# KiCad board AMC_FMC_Carrier-PcbDoc.kicad_pcb (continued)
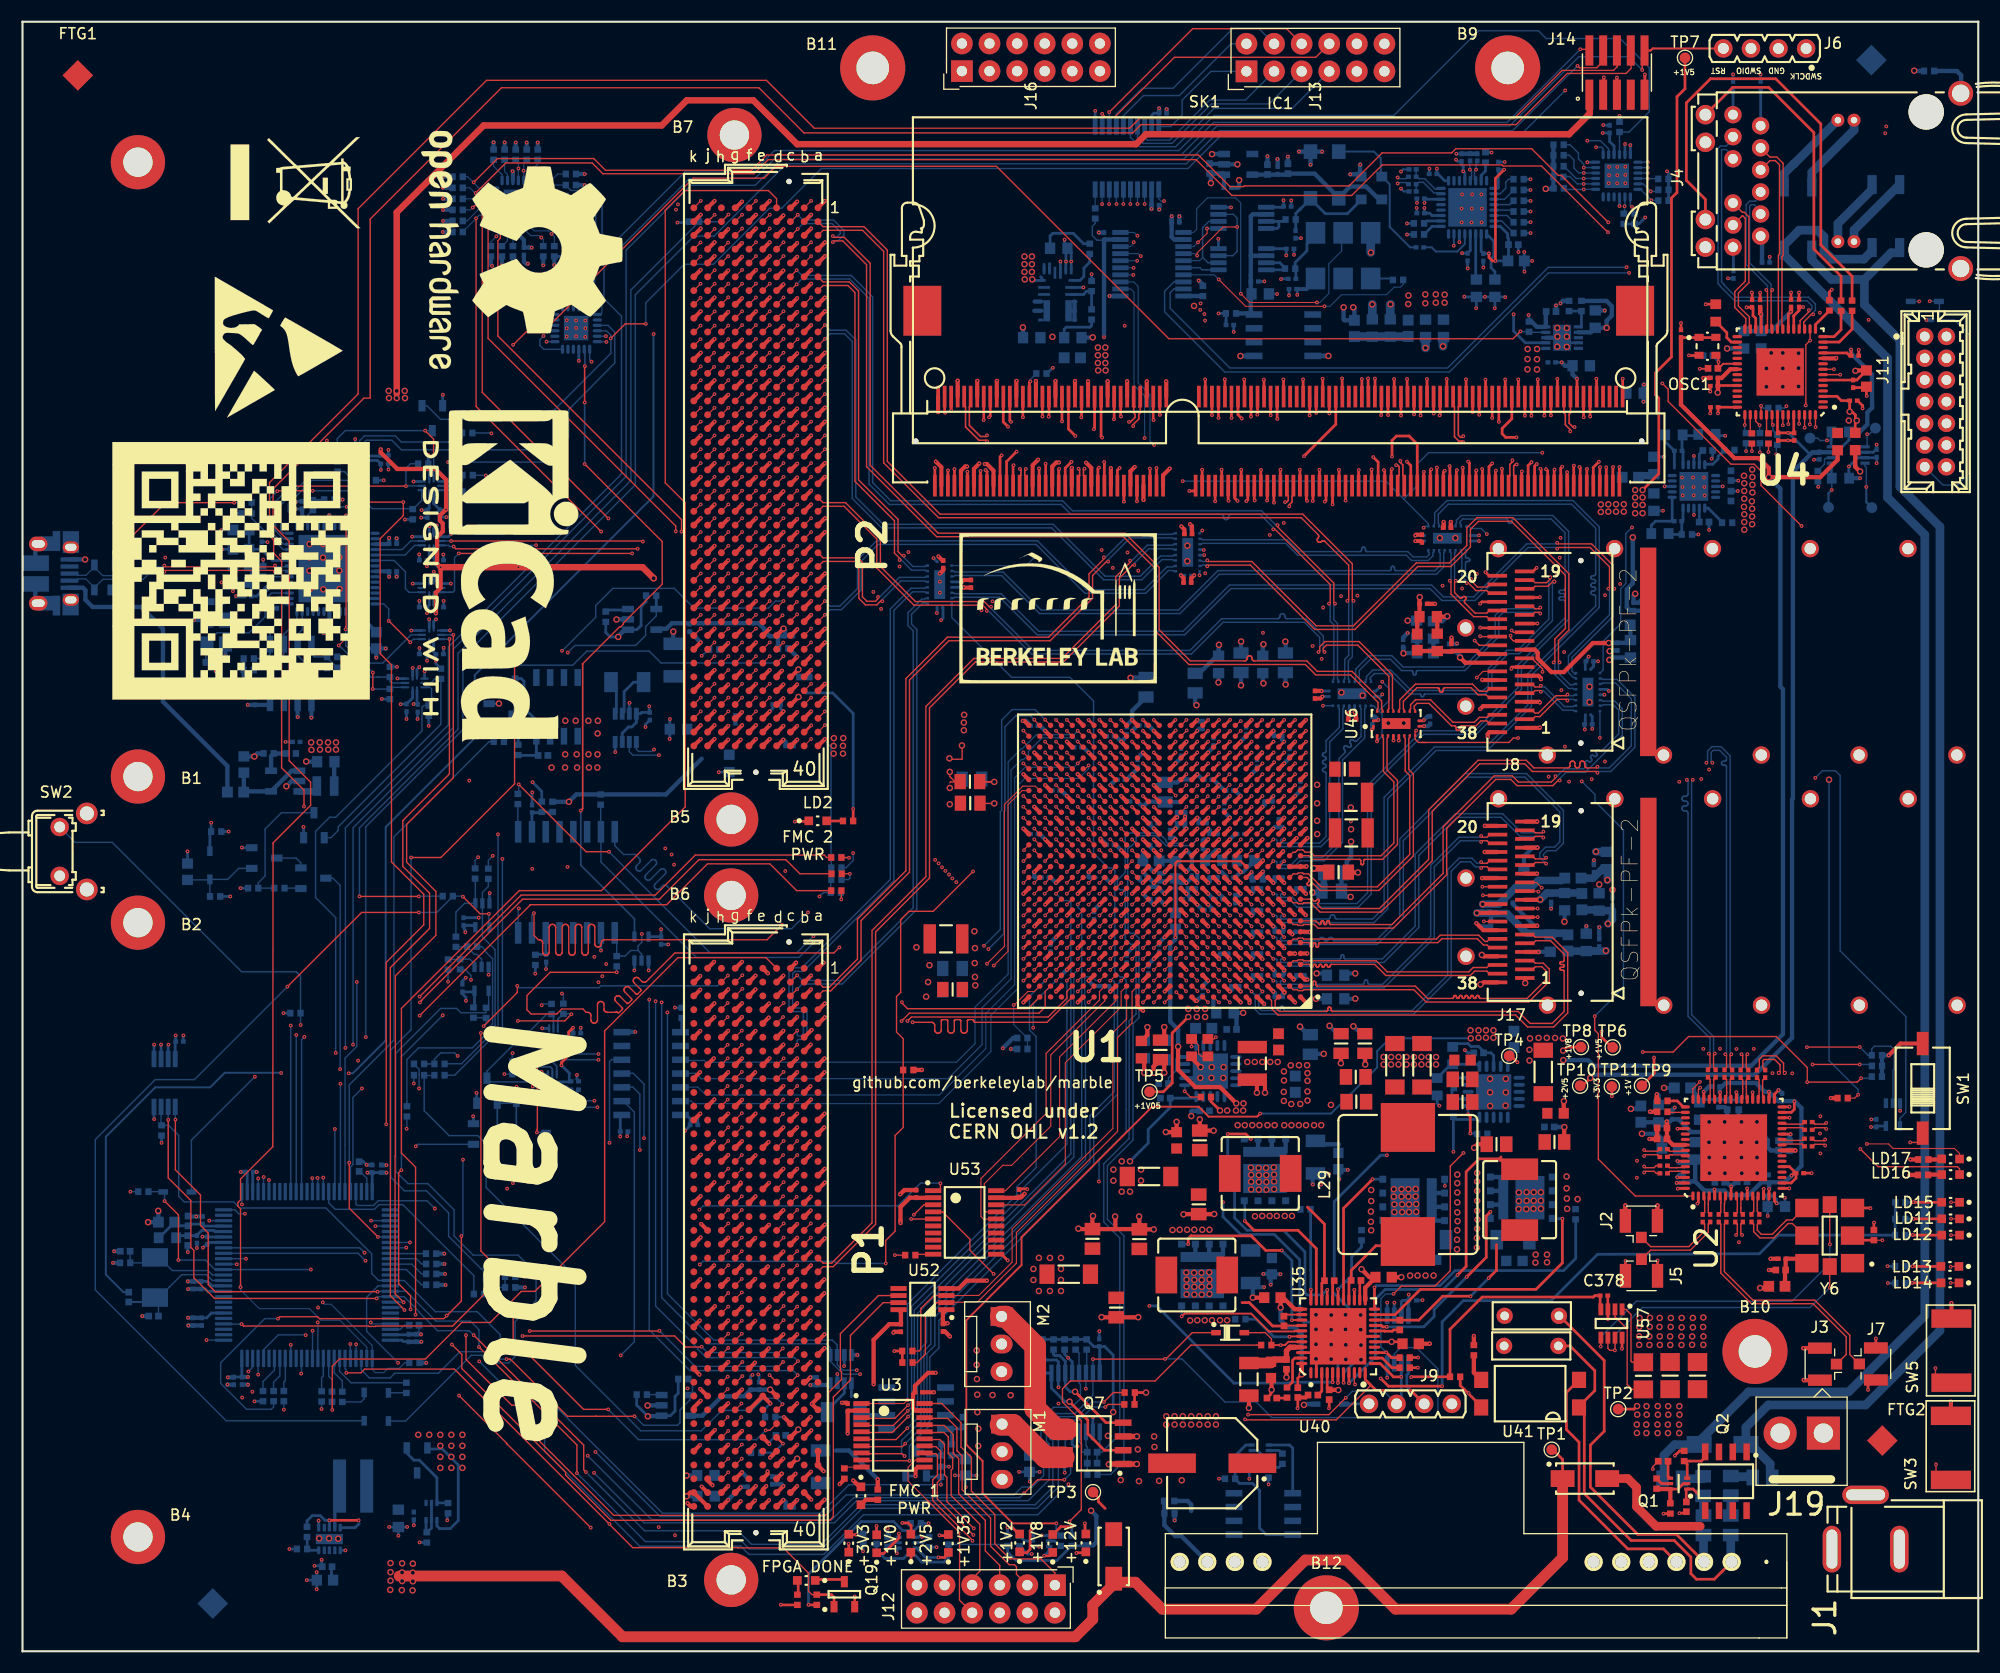
[diagram p0: board, top side]
## Routing (per net, layer and track width the routed paths; a pad name or vN(x,y) marks a point on that pad's centre or on a via; arc(x,y) is an arc through that point) (continued)
/FPGA/FPGA_MGT/GBX_MUX/MGT_RX_7_FMC_N: length 22.9
  Bottom w0.13: U50.18 129.89,101.18 129.8,101.1 129.8,100.83 129.38,100.41 127.84,100.41 127.36,100.89 117.35,100.89 116.26,101.98 108.59,101.98 108.5,101.9 108.33,101.9
/FPGA/FPGA_MGT/GBX_MUX/MGT_RX_7_FMC_P: length 22.9
  Bottom w0.13: 108.33,102.4 108.5,102.4 108.59,102.31 116.4,102.31 117.49,101.22 123.07,101.22 123.11,101.23 123.15,101.24 123.18,101.26 123.21,101.29 123.23,101.32 123.24,101.36 123.25,101.4 123.25,101.47 123.25,101.51 123.27,101.55 123.29,101.58 123.31,101.61 123.35,101.63 123.38,101.64 123.42,101.65 123.46,101.64 123.5,101.63 123.53,101.61 123.56,101.58 123.58,101.55 123.59,101.51 123.6,101.47 123.6,101.4 123.6,101.36 123.62,101.32 123.64,101.29 123.66,101.26 123.7,101.24 123.73,101.23 123.77,101.22 127.5,101.22 127.98,100.74 129.24,100.74 129.47,100.97 129.47,101.1 129.39,101.18 U50.19
/FPGA/FPGA_MGT/GBX_MUX/MGT_TX_6_FMC_N: length 79.4
  Top w0.13: v1(145.95,97.81) 146.06,97.92 146.06,99.82 144.28,101.6 141.36,101.6 v1(141.25,101.49)
  Bottom w0.13: v1(145.95,97.81) 146.06,97.7 146.06,95.41 142.28,91.63 142.28,90.09 142.75,89.63 142.9,89.63 142.98,89.54 ; 85.53,96.94 85.7,96.94 85.78,97.02 89.93,97.02 93.39,93.56 106.96,93.56 111.22,97.82 129.55,97.82 130.64,96.73 133.69,96.73 138.57,101.6 141.14,101.6 v1(141.25,101.49)
/FPGA/FPGA_MGT/GBX_MUX/MGT_TX_6_FMC_P: length 79.4
  Top w0.13: v1(146.5,97.81) 146.39,97.92 146.39,99.96 144.41,101.93 141.36,101.93 v1(141.25,102.04)
  Bottom w0.13: v1(141.25,102.04) 141.14,101.93 138.44,101.93 133.56,97.06 130.77,97.06 129.68,98.15 111.08,98.15 106.82,93.89 93.52,93.89 90.07,97.35 85.78,97.35 85.7,97.44 85.53,97.44 ; v1(146.5,97.81) 146.39,97.7 146.39,95.27 142.61,91.49 142.61,90.23 142.88,89.96 142.9,89.96 142.98,90.04
/FPGA/FPGA_MGT/GBX_MUX/MGT_TX_7_FMC_N: length 55.5
  Top w0.13: v1(140.92,91.02) 141.03,91.13 141.03,93.18 142,94.14 142,99.05 137.03,104.02 134,104.02 133.26,103.27 133.26,101.65 131.46,99.85 128.41,99.85 122.62,94.06 118.93,94.06 113,99.98 109.15,99.98 v1(109.04,99.87)
  Bottom w0.13: 108.33,99.9 108.5,99.9 108.59,99.98 108.93,99.98 v1(109.04,99.87) ; v1(140.92,91.02) 141.03,90.91 141.03,89.9 142.31,88.63 142.73,88.63 142.81,88.54 142.98,88.54
/FPGA/FPGA_MGT/GBX_MUX/MGT_TX_7_FMC_P: length 55.5
  Top w0.13: v1(109.04,100.42) 109.15,100.31 113.14,100.31 119.06,94.39 122.48,94.39 128.28,100.18 131.32,100.18 132.93,101.79 132.93,103.41 133.86,104.35 137.17,104.35 142.33,99.19 142.33,94 141.36,93.04 141.36,91.13 v1(141.47,91.02)
  Bottom w0.13: 108.33,100.4 108.5,100.4 108.59,100.31 108.93,100.31 v1(109.04,100.42) ; 142.98,89.04 142.81,89.04 142.73,88.96 142.44,88.96 141.36,90.04 141.36,90.91 v1(141.47,91.02)
/FPGA/FPGA_MGT/MGT_CLK_0_N: length 51.8
  Top w0.127: 113.59,63.26 v1(114.09,62.76)
  Top w0.13: v1(149.25,44.62) 149.36,44.51 150.17,44.51 150.36,44.7 C33.1
  In9.Cu w0.1: v1(149.25,44.62) 149.12,44.49 147.42,44.49 145.56,46.35 145.56,49.96 145.56,50 145.57,50.03 145.6,50.07 145.62,50.09 145.66,50.11 145.69,50.13 145.73,50.13 145.78,50.13 145.81,50.14 145.85,50.15 145.88,50.17 145.91,50.2 145.93,50.23 145.95,50.27 145.95,50.31 145.95,50.35 145.93,50.38 145.91,50.42 145.88,50.44 145.85,50.46 145.81,50.48 145.78,50.48 145.73,50.48 145.69,50.49 145.66,50.5 145.62,50.52 145.6,50.55 145.57,50.58 145.56,50.62 145.56,50.66 145.56,54.94 142.81,57.69 137.29,57.69 136.56,58.43 130.56,58.43 127.64,61.35 113.98,61.35 113.74,61.59 113.74,62.01 113.73,62.01 113.73,62.41 v1(114.09,62.76)
/FPGA/FPGA_MGT/MGT_CLK_0_P: length 51.8
  Top w0.127: 112.59,63.26 v1(113.09,62.76)
  Top w0.13: C289.1 150.36,43.99 150.17,44.18 149.36,44.18 v1(149.25,44.07)
  In9.Cu w0.1: v1(113.09,62.76) 113.44,62.41 113.44,61.89 113.45,61.89 113.45,61.57 113.44,61.57 113.44,61.47 113.86,61.06 127.52,61.06 130.44,58.14 136.44,58.14 137.17,57.4 142.69,57.4 145.27,54.82 145.27,46.23 147.3,44.2 149.12,44.2 v1(149.25,44.07)
/FPGA/FPGA_MGT/MGT_CLK_1_N: length 56.2
  Top w0.127: 113.6,65.23 v1(114.1,64.73)
  Top w0.13: C32.1 150.5,46.03 149.36,46.03 v1(149.25,46.14)
  In9.Cu w0.1: v1(149.25,46.14) 149.12,46.01 148.39,46.01 147.31,47.09 147.31,50.39 147.31,50.43 147.33,50.46 147.35,50.5 147.38,50.52 147.41,50.55 147.45,50.56 147.48,50.56 147.53,50.56 147.57,50.57 147.6,50.58 147.64,50.6 147.67,50.63 147.69,50.66 147.7,50.7 147.7,50.74 147.7,50.78 147.69,50.81 147.67,50.85 147.64,50.87 147.6,50.9 147.57,50.91 147.53,50.91 147.48,50.91 147.45,50.92 147.41,50.93 147.38,50.95 147.35,50.98 147.33,51.01 147.31,51.05 147.31,51.09 147.31,59.28 144.08,62.52 140.07,62.52 137.43,59.88 131.4,59.88 127.9,63.38 114.37,63.38 113.98,63.38 113.75,63.61 113.75,64.38 v1(114.1,64.73)
/FPGA/FPGA_MGT/MGT_CLK_1_P: length 56.2
  Top w0.127: 112.6,65.23 v1(113.1,64.73)
  Top w0.13: C288.1 150.5,45.7 149.36,45.7 v1(149.25,45.59)
  In9.Cu w0.1: v1(113.1,64.73) 113.46,64.38 113.46,63.49 113.86,63.09 113.93,63.09 113.93,63.09 114.24,63.09 114.25,63.09 127.78,63.09 131.28,59.59 137.55,59.59 140.19,62.23 143.96,62.23 147.02,59.16 147.02,46.97 148.27,45.72 149.12,45.72 v1(149.25,45.59)
/FPGA/FPGA_MGT/MGT_CLK_2_N: length 69.3
  Top w0.127: U1.H5 v1(114.12,66.73)
  Top w0.13: C31.1 164.78,48.01 164.96,48.19 165.9,48.19 v1(166.01,48.08)
  In9.Cu w0.1: v1(166.01,48.08) 166.14,48.21 166.41,48.21 167.1,48.9 167.1,56.06 157.77,65.39 113.98,65.39 113.76,65.6 113.76,66.38 v1(114.12,66.73)
/FPGA/FPGA_MGT/MGT_CLK_2_P: length 69.3
  Top w0.127: U1.H6 v1(113.12,66.73)
  Top w0.13: v1(166.01,48.63) 165.9,48.52 164.98,48.52 164.79,48.71 C35.1
  In9.Cu w0.1: v1(166.01,48.63) 166.14,48.5 166.29,48.5 166.81,49.02 166.81,55.94 165.27,57.48 165.23,57.5 165.19,57.52 165.15,57.53 165.1,57.53 165.06,57.52 165.02,57.5 164.99,57.48 164.98,57.47 164.94,57.44 164.9,57.42 164.86,57.41 164.81,57.41 164.77,57.42 164.73,57.44 164.69,57.47 164.67,57.5 164.65,57.54 164.64,57.59 164.64,57.63 164.65,57.67 164.67,57.71 164.69,57.75 164.7,57.76 164.73,57.79 164.75,57.83 164.76,57.88 164.76,57.92 164.75,57.97 164.73,58.01 164.7,58.04 157.65,65.1 113.86,65.1 113.47,65.48 113.47,66.38 v1(113.12,66.73)
/FPGA/FPGA_MGT/MGT_CLK_3_N: length 75.2
  Top w0.127: U1.K5 v1(114.12,68.73)
  Top w0.13: C30.1 164.77,46.48 164.96,46.67 165.8,46.67 v1(165.91,46.56)
  In9.Cu w0.1: v1(114.12,68.73) 113.76,68.38 113.76,67.58 113.98,67.37 131.17,67.37 132.21,66.33 159.44,66.33 168.44,57.33 168.44,47.12 168.01,46.69 166.04,46.69 v1(165.91,46.56)
/FPGA/FPGA_MGT/MGT_CLK_3_P: length 75.2
  Top w0.127: U1.K6 v1(113.12,68.73)
  Top w0.13: C34.1 164.76,47.19 164.95,47 165.8,47 v1(165.91,47.11)
  In9.Cu w0.1: v1(113.12,68.73) 113.47,68.38 113.47,67.46 113.86,67.08 131.05,67.08 132.09,66.04 159.32,66.04 165.54,59.82 165.57,59.78 165.59,59.74 165.6,59.7 165.6,59.66 165.59,59.61 165.57,59.57 165.54,59.54 165.53,59.53 165.5,59.49 165.48,59.45 165.47,59.41 165.47,59.36 165.48,59.32 165.5,59.28 165.53,59.24 165.57,59.22 165.61,59.2 165.65,59.19 165.7,59.19 165.74,59.2 165.78,59.22 165.81,59.24 165.82,59.25 165.86,59.28 165.9,59.3 165.94,59.31 165.99,59.31 166.03,59.3 166.07,59.28 166.11,59.25 168.15,57.21 168.15,47.24 167.89,46.98 166.04,46.98 v1(165.91,47.11)
/FPGA/FPGA_MGT/MGT_CLK_Crosspoint/EXT0_CLK_C_N: length 1.8
  Top w0.13: U2.3 154.82,41.82 154.82,41.26 154.82,41.26 154.82,40.39 C82.1
/FPGA/FPGA_MGT/MGT_CLK_Crosspoint/EXT0_CLK_C_P: length 1.8
  Top w0.13: C94.1 155.15,40.39 155.15,41.12 155.15,41.12 155.15,41.82 U2.4
/FPGA/FPGA_MGT/MGT_CLK_Crosspoint/EXT0_CLK_N: length 7.7
  Top w0.13: C82.2 154.82,39.33 154.82,38.71 153.36,37.25 149.84,37.25 J2.1
/FPGA/FPGA_MGT/MGT_CLK_Crosspoint/EXT0_CLK_P: length 8.2
  Top w0.13: C94.2 155.15,39.33 155.15,38.57 153.5,36.92 149.84,36.92 J5.1
/FPGA/FPGA_MGT/MGT_CLK_Crosspoint/EXT1_CLK_C_N: length 1.8
  Top w0.13: C83.1 156.3,40.4 156.3,41.31 156.32,41.34 156.32,41.82 U2.6
/FPGA/FPGA_MGT/MGT_CLK_Crosspoint/EXT1_CLK_C_P: length 1.8
  Top w0.13: C95.1 156.63,40.4 156.63,41.18 156.65,41.2 156.65,41.82 U2.7
/FPGA/FPGA_MGT/MGT_CLK_Crosspoint/EXT1_CLK_N: length 21.6
  Top w0.13: J3.1 167.85,27.32 167.85,28.95 164.81,31.99 159.13,31.99 156.3,34.81 156.3,39.32 C83.2
/FPGA/FPGA_MGT/MGT_CLK_Crosspoint/EXT1_CLK_P: length 21.6
  Top w0.13: J7.1 168.18,27.32 168.18,29.09 164.94,32.32 159.26,32.32 156.63,34.95 156.63,39.32 C95.2
/FPGA/FPGA_MGT/MGT_CLK_Crosspoint/FMC1_GBTCLK0_M2C_C_N: length 1.9
  Top w0.13: 160.27,52.67 160.15,52.55 160.15,50.89 U2.35
/FPGA/FPGA_MGT/MGT_CLK_Crosspoint/FMC1_GBTCLK0_M2C_C_P: length 1.9
  Top w0.13: U2.36 159.82,50.89 159.82,52.61 159.76,52.67
/FPGA/FPGA_MGT/MGT_CLK_Crosspoint/FMC1_GBTCLK1_M2C_C_N: length 2.1
  Top w0.13: C87.1 158.84,52.76 158.65,52.57 158.65,51.91 158.65,51.9 158.65,50.89 U2.38
/FPGA/FPGA_MGT/MGT_CLK_Crosspoint/FMC1_GBTCLK1_M2C_C_P: length 2.1
  Top w0.13: U2.39 158.32,50.89 158.32,51.77 158.32,51.77 158.32,52.59 158.13,52.78 C99.1
/FPGA/FPGA_MGT/MGT_CLK_Crosspoint/FMC2_GBTCLK0_M2C_C_N: length 1.9
  Top w0.13: C88.1 157.17,52.63 157.17,51.07 157.17,51.07 ; U2.41 157.15,50.89
/FPGA/FPGA_MGT/MGT_CLK_Crosspoint/FMC2_GBTCLK0_M2C_C_P: length 2
  Top w0.13: C100.1 156.84,52.63 156.84,51.47 156.84,51.47 156.84,51.15 156.79,51.1 ; U2.42 156.82,50.89
/FPGA/FPGA_MGT/MGT_CLK_Crosspoint/FMC2_GBTCLK1_M2C_C_N: length 2.1
  Top w0.13: U2.44 155.65,50.89 155.65,52.57 155.64,52.58 155.64,52.65 C89.1
/FPGA/FPGA_MGT/MGT_CLK_Crosspoint/FMC2_GBTCLK1_M2C_C_P: length 2.1
  Top w0.13: U2.45 155.32,50.89 155.32,52.43 155.31,52.44 155.31,52.65 C101.1
/FPGA/FPGA_MGT/MGT_CLK_Crosspoint/FPGA_REF_CLK0_C_N: length 1.8
  Top w0.13: C84.1 157.82,40.4 157.82,40.67 157.82,40.67 157.82,41.82 U2.9
/FPGA/FPGA_MGT/MGT_CLK_Crosspoint/FPGA_REF_CLK0_C_P: length 1.8
  Top w0.13: C96.1 158.15,40.4 158.15,40.8 158.15,40.81 158.15,41.82 U2.10
/FPGA/FPGA_MGT/MGT_CLK_Crosspoint/MGT_CLK_0_C_N: length 1.8
  Top w0.13: U2.60 152.95,44.52 152.25,44.52 152.24,44.51 151.59,44.51 C33.2
/FPGA/FPGA_MGT/MGT_CLK_Crosspoint/MGT_CLK_0_C_P: length 1.8
  Top w0.13: U2.61 152.95,44.19 152.38,44.19 152.37,44.18 151.59,44.18 C289.2
/FPGA/FPGA_MGT/MGT_CLK_Crosspoint/MGT_CLK_1_C_N: length 1.8
  Top w0.13: U2.57 152.95,46.02 151.94,46.02 151.93,46.03 151.58,46.03 C32.2
/FPGA/FPGA_MGT/MGT_CLK_Crosspoint/MGT_CLK_1_C_P: length 1.8
  Top w0.13: C288.2 151.58,45.7 151.79,45.7 151.8,45.69 152.95,45.69 U2.58
/FPGA/FPGA_MGT/MGT_CLK_Crosspoint/MGT_CLK_2_C_N: length 2.1
  Top w0.13: U2.28 162.02,48.19 163.81,48.19 163.98,48.02
/FPGA/FPGA_MGT/MGT_CLK_Crosspoint/MGT_CLK_2_C_P: length 2.1
  Top w0.13: U2.29 162.02,48.52 163.82,48.52 163.98,48.68
/FPGA/FPGA_MGT/MGT_CLK_Crosspoint/MGT_CLK_3_C_N: length 2.1
  Top w0.13: 163.95,46.52 163.78,46.69 162.02,46.69 U2.25
/FPGA/FPGA_MGT/MGT_CLK_Crosspoint/MGT_CLK_3_C_P: length 2.1
  Top w0.13: U2.26 162.02,47.02 163.84,47.02 163.95,47.13
/FPGA/FPGA_MGT/MGT_CLK_Crosspoint/SI570_CLK_C_N: length 1.8
  Top w0.13: C85.1 159.13,40.3 159.33,40.5 159.33,41.82 U2.12
/FPGA/FPGA_MGT/MGT_CLK_Crosspoint/SI570_CLK_C_P: length 1.8
  Top w0.13: U2.13 159.65,41.82 159.65,40.51 159.85,40.32 C97.1
/FPGA/FPGA_MGT/MGT_CLK_Crosspoint/VTTI: length 18.1
  Top w0.254: U2.8 157.25,41.92 v1(157.25,42.79) ; v1(157.73,51.45) 157.74,51.44 U2.40
  In9.Cu w0.254: v1(157.25,42.79) 157.56,43.1 157.56,51.28 v1(157.73,51.45)
  Bottom w0.254: v1(157.73,51.45) 157.73,51.35 157.86,51.22 157.86,50.85 C372.1 C371.1 156.11,50.76 C327.1 154.59,50.78 C324.2
  Bottom w0.4: C364.1 156.87,43.17 v1(157.25,42.79) 157.68,43.22 C366.1 ; C324.2 154.02,50.83 154.02,51.25 153.53,51.74 L7.2
/FPGA/FPGA_MGT/MGT_CLK_Crosspoint/VTTO: length 20.7
  Top w0.4: v1(163.17,46.09) 163.15,46.11 U2.24 ; U2.56 151.9,46.61 C373.1 C376.1 151.35,48.74 v1(151.33,48.76)
  Bottom w0.4: L8.1 C370.2 151.27,48.7 v1(151.33,48.76) 151.6,48.76 C369.1 152.41,48.97 153.59,47.79 159.89,47.79 160.63,47.06 160.63,46.38 160.91,46.1 C368.1 161.64,46.07 C367.1 162.65,46.09 v1(163.17,46.09)
/FPGA/FPGA_MGT/MGT_RX_4_N: length 19.4
  Top w0.127: U1.R3 v1(116.12,74.73)
  Bottom w0.13: v1(116.12,74.73) 115.85,74.73 115.78,74.66 115.78,74.51 115.89,74.4 119.38,74.4 119.98,75 119.98,80.8 119.97,80.83 119.96,80.87 119.94,80.9 119.92,80.93 119.88,80.95 119.85,80.96 119.77,80.97 119.74,80.98 119.71,81 119.68,81.03 119.66,81.06 119.65,81.09 119.65,81.13 119.65,81.15 119.65,81.18 119.66,81.22 119.68,81.25 119.71,81.28 119.74,81.3 119.77,81.31 119.85,81.32 119.88,81.33 119.92,81.35 119.94,81.38 119.96,81.41 119.97,81.44 119.98,81.48 119.98,81.5 119.97,81.53 119.96,81.57 119.94,81.6 119.92,81.63 119.88,81.65 119.85,81.66 119.77,81.67 119.74,81.68 119.71,81.7 119.68,81.73 119.66,81.76 119.65,81.79 119.65,81.83 119.65,81.85 119.65,81.88 119.66,81.92 119.68,81.95 119.71,81.98 119.74,82 119.77,82.01 119.85,82.02 119.88,82.03 119.92,82.05 119.94,82.08 119.96,82.11 119.97,82.14 119.98,82.18 119.98,82.2 119.97,82.23 119.96,82.27 119.94,82.3 119.92,82.33 119.88,82.35 119.85,82.36 119.77,82.37 119.74,82.38 119.71,82.4 119.68,82.43 119.66,82.46 119.65,82.49 119.65,82.53 119.65,82.55 119.65,82.58 119.66,82.62 119.68,82.65 119.71,82.68 119.74,82.7 119.77,82.71 119.85,82.72 119.88,82.73 119.92,82.75 119.94,82.78 119.96,82.81 119.97,82.84 119.98,82.88 119.98,83.83 121.19,85.05 121.19,86.78 121.11,86.87 U48.8
/FPGA/FPGA_MGT/MGT_RX_4_P: length 19.4
  Top w0.127: U1.R4 v1(115.12,74.73)
  Bottom w0.13: U48.7 121.61,86.87 121.53,86.78 121.53,84.91 120.31,83.69 120.31,74.86 119.51,74.07 115.76,74.07 115.45,74.37 115.45,74.66 115.38,74.73 v1(115.12,74.73)
/FPGA/FPGA_MGT/MGT_RX_5_N: length 22
  Top w0.127: U1.N3 v1(116.12,72.73)
  Bottom w0.13: 116.11,72.72 115.84,72.72 115.77,72.66 115.77,72.5 115.88,72.39 116.75,72.39 117.45,73.1 119.65,73.1 121.16,74.6 121.16,82.17 121.68,82.7 121.71,82.73 121.73,82.77 121.74,82.82 121.74,82.86 121.73,82.9 121.71,82.94 121.68,82.98 121.65,83.01 121.62,83.05 121.6,83.09 121.59,83.13 121.59,83.17 121.6,83.22 121.62,83.26 121.65,83.29 121.69,83.32 121.73,83.34 121.77,83.35 121.81,83.35 121.86,83.34 121.9,83.32 121.93,83.29 121.97,83.26 122,83.23 122.04,83.21 122.08,83.2 122.13,83.2 122.17,83.21 122.21,83.23 122.25,83.26 122.28,83.3 122.3,83.34 122.31,83.38 122.31,83.43 122.3,83.47 122.28,83.51 122.25,83.54 122.22,83.58 122.19,83.61 122.17,83.65 122.16,83.7 122.16,83.74 122.17,83.78 122.19,83.82 122.22,83.86 122.25,83.89 122.29,83.91 122.34,83.92 122.38,83.92 122.42,83.91 122.46,83.89 122.5,83.86 122.53,83.83 122.57,83.8 122.61,83.78 122.65,83.77 122.7,83.77 122.74,83.78 122.78,83.8 122.81,83.83 123.19,84.21 123.19,86.78 123.11,86.87 U48.4
/FPGA/FPGA_MGT/MGT_RX_5_P: length 22
  Top w0.127: U1.N4 v1(115.12,72.73)
  Bottom w0.13: 115.11,72.72 115.37,72.72 115.44,72.65 115.44,72.36 115.74,72.06 116.89,72.06 117.59,72.77 119.79,72.77 121.48,74.46 121.48,82.03 123.53,84.07 123.53,86.78 123.61,86.87 U48.3
/FPGA/FPGA_MGT/MGT_RX_6_N: length 66.3
  Top w0.127: U1.L3 v1(116.12,69.73)
  Bottom w0.13: 116.12,69.73 115.85,69.73 115.78,69.66 115.78,69.5 115.89,69.4 116.87,69.4 117.44,68.82 122.8,68.82 123.79,69.82 123.79,79.71 128.82,84.74 133.66,84.74 137.63,88.7 137.63,90.79 141.97,95.13 141.97,96.61 141.96,96.65 141.95,96.68 141.93,96.71 141.91,96.73 141.88,96.75 141.85,96.76 141.81,96.76 141.56,96.76 141.53,96.77 141.5,96.78 141.47,96.8 141.45,96.82 141.43,96.85 141.42,96.88 141.41,96.91 141.42,96.95 141.43,96.98 141.45,97.01 141.47,97.03 141.5,97.05 141.53,97.06 141.56,97.06 141.81,97.06 141.85,97.07 141.88,97.08 141.91,97.1 141.93,97.12 141.95,97.15 141.96,97.18 141.97,97.21 141.96,97.25 141.95,97.28 141.93,97.31 141.91,97.33 141.88,97.35 141.85,97.36 141.81,97.36 141.56,97.36 141.53,97.37 141.5,97.38 141.47,97.4 141.45,97.42 141.43,97.45 141.42,97.48 141.41,97.51 141.42,97.55 141.43,97.58 141.45,97.61 141.47,97.63 141.5,97.65 141.53,97.66 141.56,97.66 141.81,97.66 141.85,97.67 141.88,97.68 141.91,97.7 141.93,97.72 141.95,97.75 141.96,97.78 141.97,97.81 141.97,102.95 140.7,104.22 137.26,104.22 137.22,104.22 137.18,104.2 137.15,104.18 137.12,104.15 137.1,104.12 137.09,104.08 137.09,104.04 137.09,103.99 137.08,103.96 137.07,103.92 137.05,103.89 137.02,103.86 136.99,103.84 136.95,103.82 136.91,103.82 136.87,103.82 136.83,103.84 136.8,103.86 136.77,103.89 136.75,103.92 136.74,103.96 136.74,103.99 136.74,104.04 136.73,104.08 136.72,104.12 136.7,104.15 136.67,104.18 136.64,104.2 136.6,104.22 136.56,104.22 132.55,104.22 132.3,103.97 132.3,103.81 132.39,103.73 U50.8
/FPGA/FPGA_MGT/MGT_RX_6_P: length 66.3
  Top w0.127: U1.L4 v1(115.12,69.73)
  Bottom w0.13: U50.7 131.89,103.73 131.97,103.81 131.97,104.11 132.42,104.55 140.83,104.55 142.29,103.09 142.29,94.99 137.96,90.65 137.96,88.56 133.8,84.41 128.96,84.41 124.12,79.57 124.12,69.68 122.94,68.49 117.31,68.49 116.73,69.07 115.76,69.07 115.45,69.37 115.45,69.65 115.38,69.73 115.12,69.73
/FPGA/FPGA_MGT/MGT_RX_7_N: length 76.1
  Top w0.127: U1.J3 v1(116.12,67.73)
  Bottom w0.13: 116.12,67.73 115.85,67.73 115.78,67.67 115.78,67.51 115.89,67.4 120.16,67.4 120.21,67.41 120.25,67.42 120.29,67.45 120.32,67.48 120.34,67.52 120.36,67.56 120.37,67.65 120.38,67.69 120.41,67.73 120.44,67.76 120.48,67.78 120.52,67.8 120.56,67.8 120.57,67.8 120.62,67.8 120.66,67.78 120.7,67.76 120.73,67.73 120.75,67.69 120.77,67.65 120.78,67.56 120.79,67.52 120.82,67.48 120.85,67.45 120.89,67.42 120.93,67.41 120.97,67.4 124.25,67.4 125.31,68.47 125.31,78.61 129.95,83.25 134.68,83.25 138.54,87.11 138.54,89.97 144.78,96.22 144.78,97.09 144.78,97.12 144.77,97.16 144.75,97.19 144.72,97.22 144.69,97.24 144.65,97.26 144.61,97.26 144.52,97.26 144.48,97.26 144.44,97.28 144.41,97.3 144.38,97.33 144.36,97.36 144.35,97.4 144.35,97.44 144.35,97.47 144.36,97.51 144.38,97.54 144.41,97.57 144.44,97.59 144.48,97.61 144.52,97.61 144.61,97.61 144.65,97.61 144.69,97.63 144.72,97.65 144.75,97.68 144.77,97.71 144.78,97.75 144.78,97.79 144.78,97.82 144.77,97.86 144.75,97.89 144.72,97.92 144.69,97.94 144.65,97.96 144.61,97.96 144.52,97.96 144.48,97.96 144.44,97.98 144.41,98 144.38,98.03 144.36,98.06 144.35,98.1 144.35,98.14 144.35,98.17 144.36,98.21 144.38,98.24 144.41,98.27 144.44,98.29 144.48,98.31 144.52,98.31 144.61,98.31 144.65,98.31 144.69,98.33 144.72,98.35 144.75,98.38 144.77,98.41 144.78,98.45 144.78,98.49 144.78,98.52 144.77,98.56 144.75,98.59 144.72,98.62 144.69,98.64 144.65,98.66 144.61,98.66 144.52,98.66 144.48,98.66 144.44,98.68 144.41,98.7 144.38,98.73 144.36,98.76 144.35,98.8 144.35,98.84 144.35,98.87 144.36,98.91 144.38,98.94 144.41,98.97 144.44,98.99 144.48,99.01 144.52,99.01 144.61,99.01 144.65,99.01 144.69,99.03 144.72,99.05 144.75,99.08 144.77,99.11 144.78,99.15 144.78,99.19 144.78,103.37 142.57,105.59 131.23,105.59 130.3,104.66 130.3,103.81 130.39,103.73 U50.4
/FPGA/FPGA_MGT/MGT_RX_7_P: length 76.1
  Top w0.127: U1.J4 v1(115.12,67.73)
  Bottom w0.13: U50.3 129.89,103.73 129.97,103.81 129.97,104.8 131.09,105.92 142.7,105.92 145.11,103.51 145.11,96.08 138.87,89.84 138.87,86.97 134.82,82.92 130.09,82.92 125.64,78.47 125.64,68.33 124.39,67.07 115.76,67.07 115.45,67.37 115.45,67.66 115.38,67.73 115.12,67.73
/FPGA/FPGA_MGT/MGT_TX_4_N: length 20.9
  Top w0.13: U1.P1 118.4,73.23 118.73,72.9 123.04,72.9 123.07,72.89 123.1,72.88 123.12,72.87 123.14,72.85 123.16,72.82 123.17,72.79 123.17,72.77 123.17,72.53 123.17,72.5 123.18,72.47 123.2,72.45 123.22,72.43 123.24,72.41 123.27,72.4 123.3,72.4 123.33,72.4 123.36,72.41 123.38,72.43 123.4,72.45 123.42,72.47 123.43,72.5 123.43,72.53 123.43,72.77 123.43,72.79 123.44,72.82 123.46,72.85 123.48,72.87 123.5,72.88 123.53,72.89 123.56,72.9 125.17,72.9 126.54,74.27 126.54,80.17 125.59,81.12 125.59,84.04 125.67,84.13 125.67,84.3
/FPGA/FPGA_MGT/MGT_TX_4_P: length 20.9
  Top w0.13: 125.17,84.3 125.17,84.13 125.25,84.04 125.25,80.99 126.21,80.03 126.21,74.4 125.03,73.23 118.87,73.23 118.53,73.56 118.04,73.56 117.83,73.77 117.37,73.77 117.16,73.56 116.95,73.56 U1.P2
/FPGA/FPGA_MGT/MGT_TX_5_N: length 24.2
  Top w0.13: 127.67,84.3 127.67,84.13 127.59,84.04 127.59,81.16 128.01,80.74 128.01,73.21 124.83,70.04 119.41,70.04 118.81,70.64 118.78,70.66 118.75,70.67 118.72,70.68 118.69,70.68 118.66,70.67 118.63,70.66 118.6,70.64 118.49,70.52 118.46,70.5 118.43,70.49 118.4,70.48 118.36,70.48 118.33,70.49 118.3,70.5 118.27,70.52 118.25,70.55 118.24,70.58 118.23,70.61 118.23,70.64 118.24,70.68 118.25,70.71 118.27,70.73 118.39,70.85 118.41,70.87 118.42,70.9 118.43,70.94 118.43,70.97 118.42,71 118.41,71.03 118.39,71.06 118.22,71.23 U1.M1
/FPGA/FPGA_MGT/MGT_TX_5_P: length 24.2
  Top w0.13: 127.17,84.3 127.17,84.13 127.25,84.04 127.25,81.03 127.68,80.61 127.68,73.35 124.69,70.37 119.55,70.37 118.35,71.56 117.91,71.56 117.82,71.65 117.42,71.65 117.33,71.56 116.95,71.56 U1.M2
/FPGA/FPGA_MGT/MGT_TX_6_N: length 50.5
  Top w0.13: U1.K1 118.7,69.23 118.85,69.07 118.88,69.06 118.9,69.04 118.93,69.04 118.96,69.04 118.99,69.04 119.01,69.06 119.04,69.07 119.14,69.17 119.16,69.19 119.18,69.2 119.21,69.21 119.24,69.21 119.27,69.2 119.3,69.19 119.32,69.17 119.34,69.15 119.35,69.12 119.36,69.1 119.36,69.07 119.35,69.04 119.34,69.01 119.32,68.99 119.22,68.89 119.2,68.87 119.19,68.84 119.18,68.81 119.18,68.78 119.19,68.76 119.2,68.73 119.22,68.71 119.56,68.37 124.89,68.37 129.41,72.9 129.41,77.47 133.96,82.02 138.39,82.02 139.1,81.31 142.2,81.31 142.25,81.32 142.3,81.34 142.35,81.36 142.38,81.4 142.41,81.44 142.42,81.49 142.43,81.54 142.43,81.72 142.44,81.77 142.45,81.81 142.48,81.86 142.51,81.89 142.56,81.92 142.6,81.94 142.65,81.94 142.7,81.94 142.75,81.92 142.8,81.89 142.83,81.86 142.86,81.81 142.87,81.77 142.88,81.72 142.88,81.54 142.89,81.49 142.9,81.44 142.93,81.4 142.96,81.36 143.01,81.34 143.05,81.32 143.1,81.31 143.15,81.32 143.2,81.34 143.25,81.36 143.28,81.4 143.31,81.44 143.32,81.49 143.33,81.54 143.33,81.72 143.34,81.77 143.35,81.81 143.38,81.86 143.41,81.89 143.46,81.92 143.5,81.94 143.55,81.94 143.6,81.94 143.65,81.92 143.7,81.89 143.73,81.86 143.76,81.81 143.77,81.77 143.78,81.72 143.78,81.54 143.79,81.49 143.8,81.44 143.83,81.4 143.86,81.36 143.91,81.34 143.95,81.32 144,81.31 144.84,81.31 v1(144.95,81.42)
  Bottom w0.13: v1(144.95,81.42) 145.06,81.31 146.04,81.31 148.07,83.35 148.07,87.68 146.62,89.13 145.44,89.13 145.36,89.04 145.18,89.04
/FPGA/FPGA_MGT/MGT_TX_6_P: length 50.5
  Top w0.13: v1(144.95,80.87) 144.84,80.98 138.96,80.98 138.26,81.69 134.1,81.69 129.75,77.33 129.75,72.76 125.02,68.04 119.42,68.04 118.56,68.9 117.91,68.9 117.82,68.81 117.42,68.81 117.33,68.9 116.95,68.9 U1.K2
  Bottom w0.13: v1(144.95,80.87) 145.06,80.98 146.17,80.98 148.4,83.21 148.4,87.82 146.75,89.46 145.44,89.46 145.36,89.54 145.18,89.54
/FPGA/FPGA_MGT/MGT_TX_7_N: length 46.2
  Top w0.13: U1.H1 119.04,67.23 119.37,66.89 119.4,66.89 119.43,66.9 119.46,66.92 119.48,66.94 119.49,66.97 119.5,66.99 119.5,67.02 119.5,67.11 119.51,67.14 119.52,67.17 119.53,67.19 119.55,67.21 119.58,67.23 119.61,67.24 119.63,67.24 119.66,67.24 119.69,67.23 119.72,67.21 119.74,67.19 119.75,67.17 119.76,67.14 119.76,67.11 119.76,67.02 119.77,66.99 119.78,66.97 119.79,66.94 119.81,66.92 119.84,66.9 119.87,66.89 119.89,66.89 119.92,66.89 119.95,66.9 119.98,66.92 120,66.94 120.01,66.97 120.02,66.99 120.02,67.02 120.02,67.11 120.03,67.14 120.04,67.17 120.05,67.19 120.07,67.21 120.1,67.23 120.13,67.24 120.15,67.24 120.18,67.24 120.21,67.23 120.24,67.21 120.26,67.19 120.27,67.17 120.28,67.14 120.28,67.11 120.28,67.02 120.29,66.99 120.3,66.97 120.31,66.94 120.33,66.92 120.36,66.9 120.39,66.89 120.41,66.89 126.03,66.89 130.75,71.61 130.75,75.88 135.45,80.59 137.11,80.59 137.68,80.01 140.7,80.01 141.08,80.39 v1(141.08,80.55)
  Bottom w0.13: 145.18,87.04 145.36,87.04 145.44,87.13 146.41,87.13 146.91,86.62 146.91,84.45 145.37,82.91 145.34,82.89 145.3,82.87 145.27,82.86 145.23,82.86 145.19,82.87 145.15,82.89 145.12,82.91 145.1,82.93 145.07,82.95 145.04,82.97 145,82.98 144.96,82.98 144.92,82.97 144.89,82.95 144.86,82.93 144.83,82.9 144.82,82.86 144.81,82.82 144.81,82.79 144.82,82.75 144.83,82.71 144.86,82.68 144.88,82.66 144.9,82.63 144.92,82.6 144.93,82.56 144.93,82.52 144.92,82.48 144.9,82.45 144.88,82.42 144.85,82.39 144.81,82.37 144.77,82.37 144.73,82.37 144.69,82.37 144.66,82.39 144.63,82.42 144.61,82.43 144.58,82.46 144.54,82.48 144.51,82.48 144.47,82.48 144.43,82.48 144.39,82.46 144.36,82.43 144.34,82.4 144.32,82.37 144.31,82.33 144.31,82.29 144.32,82.25 144.34,82.22 144.36,82.19 144.38,82.17 144.41,82.14 144.42,82.1 144.43,82.06 144.43,82.02 144.42,81.99 144.41,81.95 144.38,81.92 144.35,81.9 144.31,81.88 144.28,81.87 144.24,81.87 144.2,81.88 144.16,81.9 144.13,81.92 144.11,81.94 144.08,81.96 144.05,81.98 144.01,81.99 143.97,81.99 143.93,81.98 143.9,81.96 143.87,81.94 143.84,81.91 143.83,81.87 143.82,81.83 143.82,81.8 143.83,81.76 143.84,81.72 143.87,81.69 143.89,81.67 143.91,81.64 143.93,81.61 143.94,81.57 143.94,81.53 143.93,81.49 143.91,81.46 143.89,81.43 143.69,81.23 141.92,81.23 141.24,80.55 v1(141.08,80.55)
/FPGA/FPGA_MGT/MGT_TX_7_P: length 46.2
  Top w0.13: U1.H2 116.95,66.9 117.33,66.9 117.42,66.81 117.82,66.81 117.91,66.9 118.9,66.9 119.24,66.56 126.16,66.56 131.07,71.47 131.07,75.74 135.59,80.26 136.97,80.26 137.55,79.68 140.84,79.68 141.32,80.16 v1(141.47,80.16)
  Bottom w0.13: v1(141.47,80.16) 141.47,80.32 142.06,80.9 143.83,80.9 147.24,84.31 147.24,86.76 146.54,87.46 145.44,87.46 145.36,87.54 145.18,87.54
